# KiCad board plz actually have soldermask.kicad_pcb (continued)
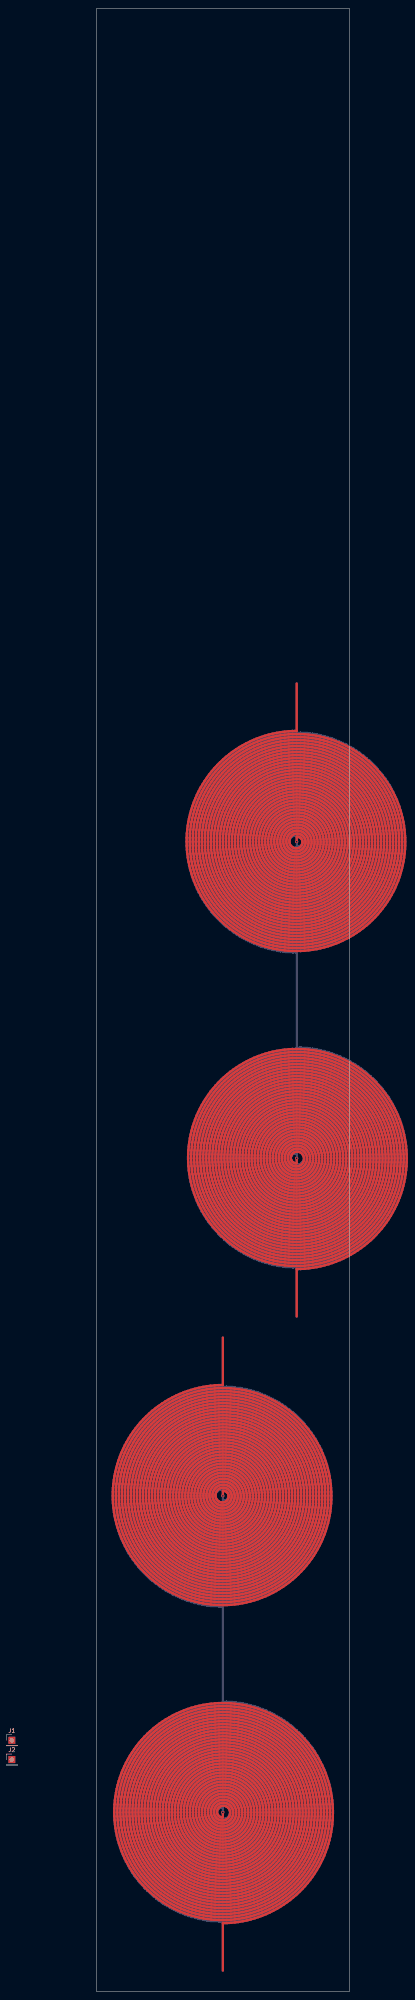
[diagram p0: board, top side]
## Routing (per net, layer and track width the routed paths; a pad name or vN(x,y) marks a point on that pad's centre or on a via; arc(x,y) is an arc through that point) (continued)
26.03,33.93 25.35,34.3 24.71,34.71 24.1,35.18 23.52,35.68 22.99,36.23 22.5,36.81 22.05,37.43 21.65,38.08 21.3,38.76 21.01,39.46 20.76,40.18 20.58,40.92 20.44,41.67 20.37,42.42 20.35,43.18 20.38,43.94 20.48,44.69 20.63,45.43 20.83,46.16 21.09,46.87 21.4,47.55 21.76,48.22 22.17,48.85 22.62,49.45 23.12,50.01 23.65,50.54 24.23,51.02 24.84,51.46 25.47,51.85 26.14,52.19 26.83,52.48 27.54,52.72 28.26,52.91 28.99,53.04 29.74,53.11 30.48,53.13 31.26,53.09 32.03,52.99 32.8,52.83 33.54,52.61 34.27,52.33 34.97,52 35.65,51.61 36.29,51.17 36.89,50.68 37.45,50.15 37.97,49.58 38.44,48.96 38.86,48.32 39.23,47.64 39.55,46.94 39.81,46.21 40.01,45.47 40.15,44.71 40.23,43.95 40.25,43.18 40.21,42.41 40.11,41.65 39.95,40.91 39.74,40.17 39.46,39.46 39.14,38.77 38.76,38.11 38.32,37.48 37.85,36.89 37.32,36.34 36.76,35.83 36.16,35.36 35.52,34.95 34.86,34.59 34.17,34.28 33.45,34.03 32.72,33.83 31.98,33.69 31.23,33.61 30.48,33.59 29.73,33.63 28.98,33.73 28.25,33.88 27.53,34.1 26.83,34.36 26.15,34.69 25.5,35.06 24.89,35.48 24.31,35.95 23.76,36.46 23.27,37.02 22.81,37.61 22.41,38.23 22.05,38.89 21.75,39.56 21.5,40.26 21.31,40.98 21.17,41.71 21.09,42.44 21.07,43.18 21.11,43.92 21.21,44.65 21.36,45.37 21.57,46.08 21.83,46.76 22.15,47.43 22.51,48.06 22.93,48.67 23.39,49.24 23.89,49.77 24.44,50.26 25.02,50.7 25.63,51.1 26.27,51.45 26.93,51.74 27.62,51.99 28.32,52.18 29.03,52.31 29.76,52.38 30.48,52.4 31.24,52.36 32,52.26 32.74,52.09 33.46,51.87 34.17,51.58 34.84,51.24 35.49,50.85 36.1,50.4 36.67,49.9 37.2,49.36 37.68,48.78 38.11,48.16 38.48,47.51 38.8,46.83 39.07,46.13 39.27,45.41 39.42,44.67 39.5,43.93 39.52,43.18 39.48,42.43 39.38,41.69 39.22,40.97 39,40.26 38.72,39.57 38.38,38.9 37.99,38.27 37.56,37.67 37.07,37.11 36.54,36.6 35.97,36.13 35.36,35.71 34.72,35.34 34.06,35.02 33.37,34.76 32.66,34.56 31.94,34.42 31.21,34.34 30.48,34.32 29.75,34.36 29.02,34.46 28.31,34.62 27.62,34.84 26.94,35.11 26.29,35.44 25.67,35.82 25.08,36.25 24.54,36.72 24.03,37.24 23.57,37.8 23.16,38.4 22.8,39.02 22.49,39.67 22.24,40.35 22.04,41.04 21.9,41.75 21.82,42.46 21.8,43.18 21.84,43.9 21.94,44.61 22.09,45.3 22.31,45.99 22.58,46.65 22.9,47.28 23.27,47.89 23.69,48.46 24.16,49 24.67,49.49 25.21,49.95 25.8,50.35 26.41,50.7 27.05,51.01 27.71,51.25 28.39,51.44 29.08,51.58 29.78,51.66 30.48,51.68 31.22,51.63 31.95,51.53 32.67,51.36 33.37,51.13 34.05,50.84 34.7,50.49 35.31,50.08 35.89,49.63 36.42,49.12 36.91,48.58 37.35,47.99 37.73,47.37 38.06,46.72 38.33,46.04 38.54,45.34 38.69,44.63 38.77,43.91 38.8,43.18 38.75,42.46 38.65,41.74 38.48,41.04 38.26,40.35 37.97,39.69 37.63,39.05 37.23,38.45 36.79,37.89 36.3,37.36 35.76,36.89 35.19,36.46 34.58,36.08 33.94,35.76 33.28,35.5 32.59,35.29 31.9,35.15 31.19,35.07 30.48,35.05 29.77,35.09 29.07,35.19 28.38,35.35 27.71,35.57 27.06,35.85 26.44,36.19 25.86,36.58 25.3,37.01 24.79,37.49 24.33,38.02 23.91,38.58 23.54,39.17 23.23,39.8 22.97,40.45 22.77,41.11 22.63,41.8 22.55,42.49 22.53,43.18 22.57,43.87 22.67,44.56 22.83,45.23 23.05,45.89 23.32,46.52 23.65,47.13 24.02,47.7 24.45,48.24 24.92,48.74 25.43,49.19 25.98,49.6 26.56,49.96 27.17,50.27 27.81,50.52 28.46,50.71 29.13,50.85 29.8,50.93 30.48,50.95 31.2,50.91 31.9,50.8 32.6,50.62 33.27,50.39 33.92,50.09 34.54,49.73 35.12,49.32 35.66,48.86 36.15,48.35 36.6,47.8 36.99,47.21 37.32,46.59 37.6,45.94 37.81,45.27 37.96,44.58 38.05,43.88 38.07,43.18 38.03,42.48 37.92,41.79 37.75,41.11 37.52,40.45 37.22,39.82 36.88,39.22 36.48,38.65 36.02,38.13 35.53,37.64 34.99,37.21 34.41,36.83 33.81,36.5 33.17,36.23 32.52,36.03 31.84,35.88 31.16,35.79 30.48,35.77 29.8,35.82 29.12,35.92 28.46,36.09 27.82,36.31 27.2,36.6 26.61,36.94 26.06,37.33 25.55,37.77 25.08,38.26 24.65,38.78 24.28,39.34 23.96,39.94 23.7,40.55 23.5,41.19 23.36,41.85 23.28,42.51 23.26,43.18 23.3,43.85 23.4,44.5 23.56,45.15 23.78,45.77 24.06,46.38 24.39,46.95 24.77,47.49 25.2,47.99 25.68,48.45 26.19,48.86 26.74,49.22 27.32,49.53 27.92,49.79 28.54,49.98 29.18,50.12 29.83,50.2 30.48,50.22 31.17,50.18 31.85,50.07 32.51,49.89 33.16,49.64 33.77,49.34 34.36,48.98 34.9,48.56 35.4,48.1 35.85,47.58 36.24,47.03 36.58,46.44 36.86,45.82 37.08,45.18 37.23,44.52 37.32,43.85 37.34,43.18 37.3,42.51 37.19,41.85 37.01,41.2 36.78,40.57 36.48,39.97 36.13,39.41 35.72,38.88 35.27,38.39 34.77,37.96 34.23,37.57 33.66,37.24 33.05,36.97 32.43,36.76 31.79,36.61 31.14,36.52 30.48,36.5 29.83,36.54 29.18,36.65 28.55,36.82 27.94,37.05 27.36,37.34 26.81,37.68 26.29,38.08 25.82,38.52 25.4,39.01 25.02,39.53 24.7,40.09 24.43,40.68 24.23,41.28 24.08,41.91 24,42.54 23.98,43.18 24.02,43.82 24.13,44.44 24.29,45.06 24.52,45.65 24.8,46.22 25.13,46.75 25.52,47.25 25.95,47.71 26.42,48.12 26.93,48.49 27.48,48.8 28.05,49.06 28.64,49.26 29.24,49.4 29.86,49.48 30.48,49.5 31.14,49.45 31.79,49.33 32.42,49.15 33.03,48.91 33.61,48.6 34.15,48.23 34.65,47.81 35.1,47.34 35.5,46.83 35.84,46.28 36.13,45.69 36.35,45.09 36.5,44.46 36.59,43.82 36.61,43.18 36.57,42.54 36.46,41.91 36.28,41.3 36.04,40.7 35.74,40.14 35.38,39.62 34.98,39.13 34.52,38.69 34.02,38.31 33.49,37.97 32.92,37.7 32.33,37.48 31.72,37.33 31.1,37.25 30.48,37.23 29.86,37.27 29.25,37.38 28.65,37.55 28.08,37.79 27.53,38.08 27.02,38.42 26.55,38.82 26.13,39.26 25.75,39.75 25.43,40.26 25.16,40.81 24.96,41.39 24.81,41.98 24.73,42.58 24.71,43.18 24.75,43.78 24.86,44.37 25.03,44.95 25.25,45.51 25.53,46.04 25.87,46.53 26.25,46.98 26.68,47.4 27.15,47.76 27.66,48.07 28.19,48.33 28.74,48.53 29.31,48.67 29.89,48.75 30.48,48.77 31.1,48.72 31.72,48.6 32.31,48.42 32.88,48.17 33.42,47.86 33.92,47.49 34.37,47.07 34.77,46.6 35.11,46.09 35.4,45.55 35.62,44.98 35.78,44.39 35.87,43.79 35.89,43.18 35.84,42.58 35.73,41.98 35.55,41.41 35.3,40.86 35,40.34 34.65,39.86 34.24,39.42 33.79,39.03 33.29,38.7 32.77,38.43 32.22,38.21 31.65,38.06 31.07,37.97 30.48,37.95 29.9,38 29.32,38.11 28.77,38.28 28.24,38.52 27.73,38.81 27.27,39.16 26.85,39.55 26.48,39.99 26.15,40.46 25.89,40.97 25.68,41.5 25.54,42.05 25.46,42.61 25.44,43.18 25.48,43.74 25.59,44.3 25.76,44.83 25.98,45.35 26.26,45.83 26.6,46.28 26.98,46.68 27.4,47.04 27.86,47.35 28.35,47.61 28.86,47.81 29.39,47.95 29.93,48.02 30.48,48.04 31.06,47.99 31.64,47.87 32.19,47.69 32.71,47.44 33.2,47.12 33.65,46.76 34.05,46.34 34.39,45.88 34.67,45.38 34.9,44.85 35.05,44.31 35.14,43.75 35.16,43.18 35.11,42.62 35,42.07 34.82,41.54 34.57,41.03 34.27,40.56 33.92,40.13 33.52,39.75 33.08,39.42 32.6,39.15 32.09,38.93 31.56,38.79 31.02,38.7 30.48,38.68 29.94,38.73 29.41,38.84 28.9,39.01 28.42,39.25 27.96,39.54 27.55,39.88 27.19,40.26 26.87,40.69 26.61,41.15 26.4,41.63 26.26,42.14 26.18,42.66 26.16,43.18 26.21,43.7 26.32,44.21 26.48,44.7 26.71,45.16 26.98,45.59 27.31,45.99 27.68,46.34 28.09,46.64 28.53,46.89 29,47.09 29.48,47.22 29.98,47.3 30.48,47.31 31.02,47.26 31.54,47.14 32.05,46.96 32.52,46.71 32.95,46.4 33.34,46.04 33.68,45.63 33.96,45.19 34.17,44.71 34.33,44.21 34.41,43.7 34.43,43.18 34.38,42.67 34.27,42.16 34.09,41.68 33.85,41.23 33.56,40.82 33.21,40.45 32.82,40.13 32.4,39.86 31.94,39.65 31.46,39.51 30.97,39.43 30.48,39.41 29.99,39.46 29.51,39.57 29.05,39.74 28.62,39.97 28.23,40.25 27.88,40.58 27.57,40.95 27.32,41.35 27.12,41.79 26.98,42.24 26.91,42.71 26.89,43.18 26.94,43.65 27.04,44.1 27.21,44.54 27.42,44.94 27.69,45.32 28.01,45.65 28.36,45.94 28.75,46.18 29.16,46.37 29.59,46.5 30.03,46.57 30.48,46.59 30.96,46.54 31.43,46.42 31.88,46.23 32.29,45.99 32.66,45.69 32.98,45.35 33.25,44.96 33.46,44.54 33.61,44.1 33.69,43.64 33.71,43.18 33.66,42.72 33.54,42.28 33.37,41.86 33.14,41.47 32.86,41.12 32.53,40.82 32.16,40.56 31.77,40.37 31.35,40.23 30.92,40.15 30.48,40.14 30.05,40.18 29.63,40.29 29.24,40.46 28.87,40.67 28.54,40.94 28.25,41.25 28.02,41.6 27.83,41.97 27.7,42.36 27.63,42.77 27.62,43.18 27.66,43.59 27.76,43.98 27.92,44.35 28.13,44.69 28.38,45 28.67,45.27 28.99,45.49 29.35,45.66 29.72,45.78 30.1,45.85 30.48,45.86 30.9,45.81 31.3,45.7 31.67,45.52 32.01,45.29 32.31,45.01 32.56,44.69 32.76,44.34 32.89,43.96 32.97,43.57 32.98,43.18 32.93,42.79 32.82,42.42 32.66,42.07 32.44,41.75 32.18,41.48 31.88,41.25 31.56,41.07 31.21,40.94 30.85,40.87 30.48,40.86 30.12,40.91 29.78,41.01 29.45,41.16 29.16,41.36 28.91,41.61 28.69,41.88 28.53,42.19 28.41,42.51 28.35,42.84 28.34,43.18 28.39,43.51 28.48,43.83 28.63,44.12 28.81,44.39 29.03,44.63 29.29,44.82 29.57,44.97 29.86,45.07 30.17,45.13 30.48,45.13 30.82,45.08 31.13,44.98 31.43,44.82 31.68,44.61 31.9,44.37 32.07,44.1 32.18,43.8 32.25,43.49 32.25,43.18 32.21,42.88 32.11,42.59 31.96,42.32 31.78,42.09 31.55,41.9 31.31,41.75 31.04,41.65 30.76,41.59 30.48,41.59 30.21,41.63 29.95,41.72 29.72,41.86 29.51,42.02 29.34,42.22 29.21,42.45 29.12,42.68 29.07,42.93 29.07,43.18 29.11,43.42 29.19,43.65 29.31,43.85 29.46,44.03 29.64,44.18 29.84,44.3 30.05,44.37 30.26,44.41 30.48,44.41 v1(30.48,43.18) ; v1(48.26,200.66) 48.26,201.89 48.04,201.89 47.83,201.85 47.62,201.78 47.42,201.66 47.24,201.51 47.09,201.33 46.97,201.13 46.89,200.9 46.85,200.66 46.85,200.41 46.9,200.16 46.99,199.93 47.12,199.7 47.29,199.5 47.5,199.34 47.73,199.2 47.99,199.11 48.26,199.07 48.54,199.07 48.82,199.13 49.09,199.23 49.33,199.38 49.56,199.57 49.74,199.8 49.89,200.07 49.99,200.36 50.03,200.66 50.03,200.97 49.96,201.28 49.85,201.58 49.68,201.85 49.46,202.09 49.21,202.3 48.91,202.46 48.6,202.56 48.26,202.61 47.95,202.61 47.64,202.55 47.35,202.45 47.07,202.3 46.81,202.11 46.59,201.87 46.41,201.6 46.26,201.31 46.17,200.99 46.12,200.66 46.13,200.32 46.19,199.99 46.31,199.67 46.47,199.36 46.69,199.09 46.94,198.84 47.23,198.64 47.56,198.49 47.9,198.39 48.26,198.34 48.63,198.35 48.99,198.42 49.34,198.55 49.66,198.73 49.96,198.96 50.22,199.23 50.44,199.55 50.6,199.9 50.71,200.27 50.76,200.66 50.75,201.05 50.67,201.44 50.54,201.82 50.34,202.17 50.09,202.49 49.79,202.77 49.45,203 49.08,203.18 48.68,203.29 48.26,203.34 47.88,203.33 47.5,203.26 47.13,203.14 46.77,202.97 46.45,202.75 46.16,202.48 45.91,202.17 45.7,201.83 45.54,201.46 45.44,201.07 45.4,200.66 45.41,200.25 45.48,199.84 45.61,199.45 45.8,199.08 46.03,198.73 46.32,198.42 46.65,198.15 47.02,197.94 47.41,197.77 47.83,197.66 48.26,197.62 48.7,197.63 49.13,197.71 49.55,197.85 49.94,198.04 50.31,198.3 50.64,198.6 50.92,198.95 51.15,199.34 51.32,199.76 51.44,200.2 51.49,200.66 51.47,201.12 51.39,201.58 51.24,202.02 51.03,202.44 50.76,202.83 50.44,203.17 50.07,203.47 49.66,203.71 49.21,203.9 48.74,204.02 48.26,204.07 47.81,204.05 47.37,203.98 46.94,203.85 46.53,203.66 46.14,203.42 45.79,203.13 45.47,202.8 45.2,202.42 44.99,202.02 44.82,201.58 44.72,201.13 44.67,200.66 44.69,200.19 44.76,199.72 44.9,199.27 45.1,198.83 45.35,198.43 45.66,198.06 46.01,197.73 46.4,197.45 46.83,197.22 47.29,197.05 47.77,196.94 48.26,196.89 48.75,196.91 49.24,196.99 49.72,197.13 50.18,197.34 50.6,197.61 50.99,197.93 51.34,198.3 51.63,198.71 51.87,199.16 52.05,199.64 52.16,200.15 52.21,200.66 52.19,201.18 52.11,201.69 51.95,202.19 51.74,202.67 51.46,203.11 51.12,203.52 50.73,203.88 50.3,204.19 49.83,204.44 49.32,204.62 48.8,204.74 48.26,204.8 47.76,204.78 47.26,204.7 46.78,204.57 46.31,204.37 45.87,204.12 45.46,203.82 45.09,203.47 44.76,203.07 44.49,202.64 44.26,202.18 44.1,201.69 43.99,201.18 43.94,200.66 43.96,200.14 44.04,199.62 44.18,199.11 44.39,198.63 44.65,198.17 44.97,197.74 45.33,197.36 45.74,197.02 46.2,196.73 46.68,196.49 47.19,196.32 47.72,196.21 48.26,196.16 48.8,196.18 49.34,196.27 49.87,196.41 50.38,196.63 50.86,196.9 51.3,197.23 51.7,197.61 52.05,198.04 52.35,198.51 52.6,199.02 52.78,199.55 52.89,200.1 52.94,200.66 52.92,201.23 52.83,201.79 52.68,202.33 52.45,202.86 52.17,203.36 51.83,203.82 51.43,204.24 50.98,204.6 50.49,204.92 49.97,205.17 49.42,205.35 48.84,205.47 48.26,205.52 47.71,205.5 47.17,205.43 46.64,205.29 46.13,205.09 45.64,204.83 45.18,204.52 44.76,204.16 44.38,203.76 44.04,203.31 43.76,202.83 43.54,202.31 43.37,201.78 43.26,201.22 43.22,200.66 43.24,200.09 43.32,199.53 43.46,198.98 43.67,198.45 43.93,197.94 44.26,197.47 44.63,197.03 45.05,196.64 45.51,196.29 46.02,196 46.55,195.76 47.1,195.59 47.68,195.48 48.26,195.43 48.85,195.45 49.43,195.54 50,195.69 50.55,195.91 51.07,196.18 51.57,196.51 52.02,196.9 52.43,197.34 52.78,197.82 53.08,198.34 53.33,198.89 53.51,199.46 53.62,200.06 53.67,200.66 53.65,201.27 53.56,201.87 53.4,202.46 53.18,203.03 52.89,203.57 52.55,204.08 52.15,204.55 51.7,204.97 51.2,205.34 50.66,205.65 50.09,205.9 49.5,206.08 48.88,206.2 48.26,206.25 47.67,206.23 47.09,206.15 46.52,206.01 45.97,205.81 45.44,205.55 44.93,205.24 44.46,204.88 44.03,204.46 43.65,204.01 43.31,203.52 43.03,202.99 42.81,202.43 42.64,201.85 42.53,201.26 42.49,200.66 42.51,200.06 42.59,199.46 42.74,198.87 42.94,198.29 43.21,197.74 43.53,197.23 43.91,196.74 44.33,196.3 44.8,195.9 45.31,195.56 45.86,195.27 46.43,195.03 47.03,194.86 47.64,194.75 48.26,194.71 48.88,194.73 49.5,194.81 50.11,194.96 50.7,195.18 51.27,195.45 51.8,195.79 52.3,196.17 52.76,196.61 53.16,197.1 53.52,197.62 53.82,198.18 54.06,198.78 54.24,199.39 54.35,200.02 54.39,200.66 54.37,201.3 54.28,201.94 54.13,202.57 53.91,203.17 53.62,203.76 53.28,204.31 52.88,204.82 52.43,205.29 51.93,205.71 51.39,206.08 50.81,206.39 50.2,206.63 49.57,206.81 48.92,206.93 48.26,206.98 47.64,206.96 47.02,206.88 46.42,206.74 45.83,206.54 45.26,206.28 44.71,205.97 44.2,205.6 43.73,205.19 43.3,204.73 42.91,204.23 42.58,203.7 42.3,203.13 42.07,202.54 41.91,201.92 41.8,201.3 41.76,200.66 41.78,200.02 41.86,199.39 42.01,198.76 42.21,198.16 42.48,197.57 42.8,197.01 43.18,196.49 43.6,196 44.07,195.56 44.59,195.16 45.14,194.82 45.72,194.53 46.33,194.3 46.96,194.13 47.61,194.02 48.26,193.98 48.92,194 49.57,194.09 50.21,194.24 50.83,194.45 51.44,194.72 52.01,195.05 52.55,195.44 53.05,195.87 53.5,196.36 53.91,196.89 54.26,197.45 54.56,198.05 54.79,198.68 54.97,199.33 55.08,199.99 55.12,200.66 55.1,201.33 55.01,202 54.86,202.66 54.64,203.3 54.36,203.92 54.02,204.51 53.63,205.06 53.18,205.58 52.68,206.04 52.14,206.46 51.55,206.82 50.94,207.12 50.29,207.37 49.63,207.55 48.95,207.66 48.26,207.7 47.61,207.68 46.96,207.6 46.32,207.46 45.7,207.27 45.1,207.01 44.52,206.7 43.97,206.34 43.46,205.93 42.98,205.47 42.55,204.97 42.17,204.43 41.84,203.86 41.56,203.25 41.34,202.63 41.18,201.98 41.08,201.33 41.04,200.66 41.06,199.99 41.14,199.33 41.28,198.67 41.48,198.03 41.74,197.42 42.06,196.82 42.43,196.26 42.86,195.74 43.33,195.25 43.84,194.81 44.39,194.42 44.98,194.08 45.6,193.79 46.24,193.57 46.9,193.4 47.58,193.3 48.26,193.25 48.94,193.27 49.62,193.36 50.3,193.51 50.95,193.71 51.59,193.98 52.19,194.31 52.77,194.69 53.31,195.12 53.8,195.61 54.26,196.13 54.66,196.7 55,197.3 55.3,197.93 55.53,198.59 55.7,199.27 55.81,199.96 55.85,200.66 55.83,201.36 55.74,202.06 55.59,202.75 55.38,203.42 55.1,204.07 54.77,204.69 54.38,205.28 53.93,205.83 53.44,206.34 52.9,206.8 52.32,207.21 51.7,207.57 51.05,207.87 50.38,208.1 49.68,208.28 48.98,208.39 48.26,208.43 47.58,208.41 46.91,208.33 46.24,208.19 45.59,208 44.95,207.75 44.34,207.44 43.76,207.08 43.21,206.67 42.7,206.22 42.23,205.72 41.8,205.18 41.43,204.61 41.1,204 40.83,203.37 40.61,202.71 40.45,202.04 40.35,201.35 40.31,200.66 40.33,199.97 40.41,199.28 40.55,198.59 40.75,197.93 41.01,197.28 41.32,196.65 41.69,196.06 42.11,195.5 42.57,194.97 43.08,194.49 43.64,194.06 44.22,193.67 44.84,193.33 45.49,193.05 46.16,192.83 46.85,192.67 47.55,192.57 48.26,192.53 48.97,192.55 49.68,192.63 50.37,192.77 51.06,192.98 51.72,193.24 52.36,193.56 52.97,193.94 53.54,194.37 54.08,194.84 54.57,195.37 55.01,195.93 55.41,196.53 55.75,197.17 56.04,197.83 56.26,198.52 56.43,199.22 56.53,199.94 56.58,200.66 56.55,201.39 56.47,202.11 56.32,202.82 56.11,203.52 55.84,204.2 55.51,204.85 55.13,205.47 54.69,206.06 54.2,206.6 53.67,207.11 53.09,207.56 52.48,207.97 51.83,208.32 51.15,208.61 50.45,208.84 49.73,209.01 49,209.11 48.26,209.16 47.56,209.14 46.86,209.06 46.17,208.92 45.49,208.73 44.83,208.49 44.19,208.18 43.58,207.83 42.99,207.43 42.45,206.97 41.94,206.48 41.47,205.94 41.05,205.37 40.68,204.76 40.36,204.13 40.09,203.47 39.87,202.78 39.72,202.09 39.62,201.38 39.58,200.66 39.6,199.94 39.68,199.23 39.82,198.52 40.02,197.83 40.27,197.15 40.58,196.5 40.94,195.88 41.35,195.28 41.81,194.72 42.32,194.2 42.86,193.73 43.45,193.3 44.07,192.92 44.72,192.59 45.4,192.32 46.09,192.1 46.8,191.94 47.53,191.84 48.26,191.8 48.99,191.82 49.72,191.9 50.44,192.04 51.15,192.24 51.84,192.5 52.5,192.82 53.14,193.19 53.75,193.61 54.32,194.08 54.85,194.59 55.34,195.15 55.77,195.75 56.16,196.38 56.5,197.05 56.78,197.74 57,198.45 57.16,199.17 57.26,199.91 57.3,200.66 57.28,201.41 57.2,202.15 57.05,202.89 56.85,203.61 56.58,204.31 56.26,204.99 55.89,205.64 55.46,206.26 54.98,206.84 54.45,207.38 53.88,207.88 53.27,208.33 52.62,208.72 51.95,209.06 51.24,209.35 50.52,209.57 49.78,209.74 49.02,209.84 48.26,209.88 47.54,209.86 46.81,209.79 46.1,209.66 45.4,209.47 44.71,209.22 44.05,208.93 43.41,208.58 42.8,208.18 42.22,207.74 41.67,207.25 41.17,206.72 40.71,206.15 40.29,205.54 39.93,204.91 39.61,204.24 39.35,203.56 39.14,202.85 38.99,202.13 38.89,201.4 38.85,200.66 38.87,199.92 38.95,199.19 39.09,198.46 39.28,197.74 39.53,197.04 39.83,196.37 40.19,195.71 40.59,195.09 41.05,194.5 41.54,193.94 42.09,193.43 42.67,192.96 43.28,192.54 43.93,192.17 44.61,191.84 45.31,191.58 46.03,191.36 46.76,191.21 47.51,191.11 48.26,191.07 49.01,191.09 49.76,191.17 50.5,191.31 51.23,191.51 51.95,191.76 52.64,192.07 53.3,192.43 53.94,192.84 54.54,193.31 55.1,193.82 55.63,194.37 56.1,194.96 56.54,195.59 56.92,196.25 57.24,196.94 57.52,197.65 57.73,198.39 57.89,199.13 57.99,199.89 58.03,200.66 58.01,201.43 57.93,202.19 57.79,202.95 57.59,203.69 57.33,204.42 57.01,205.12 56.64,205.8 56.22,206.44 55.75,207.06 55.23,207.63 54.67,208.16 54.07,208.65 53.43,209.09 52.75,209.48 52.05,209.81 51.32,210.09 50.58,210.31 49.81,210.47 49.04,210.57 48.26,210.61 47.52,210.59 46.77,210.52 46.04,210.39 45.32,210.2 44.61,209.96 43.92,209.67 43.25,209.33 42.62,208.94 42.01,208.5 41.43,208.02 40.9,207.49 40.4,206.93 39.95,206.33 39.54,205.7 39.18,205.03 38.87,204.35 38.61,203.64 38.41,202.91 38.26,202.17 38.16,201.42 38.13,200.66 38.15,199.9 38.22,199.15 38.36,198.4 38.54,197.66 38.79,196.94 39.08,196.24 39.43,195.56 39.83,194.91 40.28,194.29 40.77,193.71 41.3,193.16 41.88,192.66 42.49,192.19 43.13,191.78 43.81,191.41 44.51,191.1 45.23,190.84 45.97,190.63 46.73,190.48 47.49,190.38 48.26,190.35 49.03,190.37 49.8,190.44 50.56,190.58 51.31,190.77 52.04,191.02 52.76,191.32 53.45,191.67 54.11,192.08 54.74,192.53 55.33,193.04 55.89,193.58 56.41,194.16 56.88,194.79 57.3,195.44 57.67,196.13 57.99,196.84 58.26,197.58 58.47,198.33 58.62,199.1 58.72,199.88 58.76,200.66 58.74,201.45 58.66,202.23 58.52,203 58.32,203.76 58.07,204.51 57.76,205.24 57.4,205.94 56.99,206.61 56.53,207.25 56.02,207.86 55.46,208.42 54.87,208.95 54.24,209.43 53.57,209.85 52.87,210.23 52.15,210.56 51.4,210.83 50.63,211.04 49.85,211.2 49.06,211.3 48.26,211.34 47.5,211.32 46.74,211.25 45.98,211.12 45.24,210.94 44.51,210.7 43.8,210.42 43.11,210.08 42.45,209.7 41.82,209.27 41.21,208.79 40.65,208.27 40.12,207.72 39.63,207.12 39.18,206.5 38.78,205.84 38.43,205.15 38.12,204.44 37.87,203.71 37.67,202.96 37.53,202.2 37.44,201.43 37.4,200.66 37.42,199.88 37.49,199.11 37.62,198.35 37.81,197.59 38.05,196.85 38.34,196.13 38.68,195.43 39.07,194.75 39.51,194.11 39.99,193.49 40.52,192.92 41.08,192.38 41.69,191.88 42.33,191.43 43,191.02 43.69,190.66 44.42,190.35 45.16,190.1 45.92,189.9 46.69,189.75 47.47,189.65 48.26,189.62 49.05,189.64 49.83,189.71 50.61,189.85 51.38,190.03 52.13,190.28 52.87,190.57 53.58,190.92 54.27,191.32 54.92,191.76 55.54,192.25 56.13,192.79 56.68,193.36 57.19,193.98 57.65,194.63 58.06,195.31 58.42,196.02 58.74,196.75 59,197.51 59.2,198.28 59.35,199.07 59.45,199.86 59.48,200.66 59.46,201.46 59.39,202.26 59.25,203.05 59.06,203.83 58.81,204.6 58.51,205.34 58.16,206.07 57.76,206.76 57.3,207.43 56.8,208.06 56.26,208.66 55.67,209.22 55.05,209.73 54.39,210.2 53.7,210.62 52.98,210.99 52.23,211.31 51.46,211.57 50.68,211.78 49.88,211.93 49.07,212.03 48.26,212.06 47.48,212.05 46.7,211.97 45.93,211.85 45.17,211.67 44.43,211.44 43.7,211.16 42.99,210.84 42.3,210.46 41.64,210.04 41.01,209.57 40.42,209.06 39.86,208.51 39.33,207.92 38.85,207.3 38.41,206.65 38.02,205.97 37.68,205.26 37.38,204.53 37.13,203.78 36.94,203.01 36.8,202.24 36.71,201.45 36.67,200.66 36.69,199.87 36.77,199.08 36.89,198.3 37.07,197.53 37.31,196.77 37.59,196.02 37.92,195.3 38.31,194.61 38.74,193.94 39.21,193.3 39.73,192.69 40.29,192.12 40.88,191.59 41.51,191.1 42.18,190.66 42.87,190.26 43.59,189.91 44.33,189.61 45.09,189.36 45.87,189.16 46.66,189.02 47.46,188.93 48.26,188.89 49.06,188.91 49.86,188.99 50.66,189.11 51.44,189.3 52.21,189.53 52.97,189.82 53.7,190.16 54.41,190.55 55.09,190.99 55.74,191.47 56.35,192 56.93,192.56 57.47,193.17 57.96,193.81 58.42,194.48 58.82,195.19 59.18,195.92 59.48,196.67 59.74,197.44 59.94,198.23 60.08,199.03 60.17,199.85 60.21,200.66 60.19,201.48 60.11,202.29 59.98,203.1 59.8,203.89 59.56,204.68 59.26,205.44 58.92,206.18 58.52,206.9 58.08,207.59 57.59,208.25 57.06,208.88 56.48,209.46 55.87,210.01 55.22,210.51 54.53,210.97 53.82,211.38 53.07,211.74 52.31,212.05 51.52,212.31 50.72,212.52 49.91,212.66 49.09,212.76 48.26,212.79 47.47,212.77 46.67,212.7 45.89,212.58 45.11,212.41 44.35,212.18 43.6,211.91 42.87,211.59 42.16,211.22 41.48,210.8 40.83,210.35 40.21,209.84 39.62,209.3 39.06,208.72 38.55,208.11 38.08,207.46 37.65,206.79 37.26,206.08 36.93,205.35 36.64,204.61 36.4,203.84 36.21,203.06 36.07,202.27 35.98,201.46 35.95,200.66 35.97,199.85 36.04,199.05 36.16,198.25 36.34,197.47 36.56,196.69 36.84,195.93 37.17,195.19 37.54,194.47 37.96,193.78 38.43,193.12 38.94,192.49 39.49,191.89 40.08,191.33 40.7,190.81 41.36,190.33 42.04,189.89 42.76,189.5 43.5,189.16 44.26,188.86 45.03,188.62 45.83,188.43 46.63,188.29 47.44,188.2 48.26,188.16 49.08,188.18 49.89,188.26 50.7,188.38 51.5,188.56 52.29,188.79 53.06,189.07 53.81,189.41 54.54,189.79 55.24,190.21 55.91,190.69 56.55,191.2 57.16,191.76 57.73,192.36 58.26,192.99 58.74,193.65 59.19,194.35 59.58,195.08 59.93,195.83 60.23,196.6 60.48,197.39 60.67,198.19 60.81,199.01 60.9,199.83 60.94,200.66 60.92,201.49 60.84,202.32 60.72,203.14 60.53,203.95 60.3,204.75 60.01,205.53 59.68,206.29 59.29,207.03 58.86,207.74 58.38,208.42 57.85,209.07 57.29,209.69 56.68,210.27 56.04,210.8 55.37,211.3 54.66,211.74 53.92,212.15 53.16,212.5 52.38,212.8 51.58,213.05 50.76,213.25 49.94,213.39 49.1,213.48 48.26,213.52 47.45,213.5 46.65,213.43 45.85,213.31 45.05,213.14 44.28,212.92 43.51,212.66 42.76,212.34 42.04,211.98 41.33,211.57 40.66,211.12 40.01,210.63 39.4,210.1 38.82,209.53 38.27,208.92 37.77,208.28 37.3,207.61 36.88,206.91 36.51,206.19 36.18,205.44 35.89,204.68 35.66,203.9 35.47,203.1 35.34,202.29 35.25,201.48 35.22,200.66 35.24,199.84 35.31,199.02 35.43,198.21 35.6,197.41 35.82,196.62 36.09,195.84 36.41,195.09 36.78,194.35 37.19,193.64 37.65,192.95 38.15,192.3 38.69,191.67 39.27,191.08 39.88,190.53 40.53,190.02 41.21,189.55 41.92,189.12 42.65,188.74 43.41,188.41 44.19,188.12 44.98,187.88 45.79,187.69 46.6,187.56 47.43,187.47 48.26,187.44 49.09,187.46 49.92,187.53 50.74,187.65 51.56,187.82 52.36,188.05 53.14,188.33 53.91,188.65 54.66,189.02 55.38,189.44 56.07,189.9 56.74,190.41 57.37,190.96 57.97,191.54 58.53,192.17 59.05,192.82 59.52,193.51 59.96,194.23 60.34,194.97 60.68,195.74 60.97,196.53 61.21,197.33 61.41,198.15 61.54,198.98 61.63,199.82 61.66,200.66 61.65,201.5 61.57,202.34 61.45,203.18 61.27,204 61.04,204.81 60.76,205.61 60.43,206.39 60.06,207.15 59.63,207.88 59.16,208.58 58.65,209.26 58.09,209.9 57.5,210.5 56.87,211.07 56.2,211.59 55.5,212.08 54.78,212.51 54.02,212.91 53.25,213.25 52.45,213.55 51.63,213.79 50.8,213.98 49.96,214.12 49.11,214.21 48.26,214.25 47.44,214.23 46.62,214.16 45.81,214.04 45,213.88 44.21,213.66 43.43,213.4 42.66,213.09 41.92,212.74 41.2,212.34 40.5,211.9 39.83,211.42 39.2,210.89 38.59,210.33 38.02,209.73 37.48,209.1 36.99,208.44 36.53,207.75 36.12,207.03 35.75,206.29 35.43,205.53 35.15,204.75 34.92,203.95 34.74,203.14 34.61,202.32 34.52,201.49 34.49,200.66 34.51,199.83 34.58,199 34.7,198.17 34.87,197.36 35.08,196.55 35.35,195.76 35.66,194.99 36.02,194.24 36.42,193.5 36.87,192.8 37.36,192.12 37.89,191.47 38.46,190.86 39.07,190.28 39.7,189.74 40.38,189.24 41.08,188.78 41.8,188.36 42.56,187.98 43.33,187.66 44.12,187.38 44.93,187.14 45.75,186.96 46.58,186.83 47.42,186.74 48.26,186.71 49.1,186.73 49.94,186.8 50.78,186.92 51.61,187.09 52.42,187.31 53.22,187.58 54.01,187.89 54.77,188.26 55.51,188.67 56.22,189.12 56.91,189.62 57.57,190.16 58.19,190.73 58.77,191.34 59.32,191.99 59.83,192.67 60.3,193.38 60.72,194.12 61.1,194.88 61.43,195.66 61.72,196.47 61.95,197.28 62.14,198.12 62.27,198.96 62.36,199.81 62.39,200.66 62.37,201.51 62.3,202.37 62.18,203.21 62.01,204.05 61.78,204.87 61.51,205.69 61.19,206.48 60.82,207.25 60.41,208 59.95,208.73 59.44,209.42 58.9,210.09 58.32,210.72 57.7,211.31 57.04,211.87 56.35,212.38 55.63,212.85 54.89,213.28 54.11,213.67 53.32,214 52.51,214.29 51.68,214.53 50.84,214.72 49.98,214.85 49.12,214.94 48.26,214.97 47.43,214.96 46.6,214.89 45.77,214.78 44.95,214.61 44.15,214.4 43.35,214.15 42.57,213.85 41.81,213.5 41.07,213.11 40.36,212.67 39.67,212.2 39.01,211.69 38.38,211.13 37.78,210.55 37.22,209.93 36.69,209.27 36.21,208.59 35.76,207.88 35.36,207.14 34.99,206.38 34.68,205.6 34.41,204.81 34.18,204 34.01,203.17 33.88,202.34 33.8,201.5 33.77,200.66 33.78,199.82 33.85,198.98 33.97,198.14 34.13,197.31 34.34,196.49 34.6,195.69 34.91,194.9 35.26,194.13 35.65,193.38 36.09,192.66 36.57,191.96 37.09,191.29 37.65,190.65 38.25,190.05 38.88,189.48 39.54,188.95 40.23,188.45 40.95,188 41.7,187.59 42.47,187.23 43.25,186.91 44.06,186.63 44.88,186.41 45.71,186.23 46.56,186.1 47.41,186.02 48.26,185.98 49.11,186 49.97,186.07 50.81,186.19 51.65,186.35 52.48,186.57 53.29,186.83 54.09,187.14 54.87,187.5 55.63,187.9 56.36,188.34 57.07,188.83 57.75,189.36 58.39,189.92 59,190.52 59.58,191.16 60.12,191.83 60.62,192.53 61.08,193.26 61.49,194.02 61.86,194.79 62.18,195.59 62.46,196.41 62.69,197.24 62.87,198.08 63,198.94 63.09,199.8 63.12,200.66 63.1,201.52 63.03,202.39 62.91,203.24 62.74,204.09 62.53,204.93 62.26,205.76 61.95,206.56 61.59,207.35 61.18,208.12 60.73,208.86 60.24,209.58 59.7,210.26 59.13,210.92 58.52,211.54 57.88,212.12 57.2,212.66 56.49,213.17 55.75,213.63 54.99,214.05 54.2,214.43 53.39,214.76 52.56,215.04 51.72,215.27 50.87,215.45 50,215.58 49.13,215.67 48.26,215.7 47.42,215.68 46.57,215.62 45.74,215.51 44.91,215.35 44.09,215.14 43.28,214.89 42.49,214.6 41.71,214.26 40.96,213.87 40.22,213.45 39.52,212.98 38.83,212.48 38.18,211.94 37.56,211.36 36.97,210.75 36.42,210.1 35.9,209.43 35.43,208.72 34.99,207.99 34.59,207.24 34.24,206.47 33.93,205.67 33.66,204.86 33.45,204.04 33.27,203.21 33.15,202.36 33.07,201.51 33.04,200.66 33.06,199.81 33.12,198.95 33.23,198.11 33.39,197.27 33.6,196.44 33.86,195.62 34.15,194.82 34.5,194.03 34.89,193.27 35.32,192.53 35.79,191.81 36.3,191.12 36.85,190.46 37.43,189.83 38.05,189.24 38.7,188.68 39.39,188.16 40.1,187.67 40.84,187.23 41.6,186.83 42.38,186.47 43.19,186.16 44,185.89 44.84,185.67 45.68,185.49 46.54,185.37 47.4,185.29 48.26,185.26 49.12,185.27 49.99,185.34 50.84,185.45 51.69,185.62 52.53,185.83 53.36,186.08 54.17,186.39 54.97,186.74 55.74,187.13 56.49,187.56 57.21,188.04 57.91,188.56 58.58,189.11 59.22,189.7 59.82,190.33 60.38,190.99 60.91,191.68 61.4,192.4 61.85,193.15 62.26,193.92 62.62,194.71 62.93,195.53 63.2,196.35 63.43,197.2 63.61,198.05 63.73,198.92 63.81,199.79 63.85,200.66 63.83,201.53 63.76,202.41 63.64,203.27 63.48,204.13 63.27,204.98 63.01,205.82 62.7,206.64 62.35,207.44 61.95,208.23 61.51,208.99 61.03,209.72 60.51,210.43 59.94,211.1 59.34,211.74 58.71,212.35 58.04,212.93 57.34,213.46 56.61,213.96 55.86,214.41 55.08,214.82 54.28,215.18 53.45,215.51 52.62,215.78 51.76,216.01 50.9,216.19 50.02,216.31 49.14,216.4 48.26,216.43 47.41,216.41 46.55,216.35 45.71,216.24 44.87,216.08 44.03,215.88 43.21,215.64 42.41,215.35 41.62,215.02 40.85,214.64 40.1,214.22 39.37,213.77 38.67,213.27 38,212.74 37.36,212.17 36.74,211.57 36.17,210.93 35.62,210.27 35.12,209.57 34.65,208.85 34.22,208.1 33.83,207.34 33.48,206.55 33.18,205.74 32.92,204.92 32.71,204.08 32.54,203.24 32.42,202.38 32.34,201.52 32.31,200.66 32.33,199.8 32.39,198.93 32.5,198.08 32.66,197.23 32.86,196.38 33.11,195.56 33.4,194.74 33.74,193.94 34.12,193.16 34.54,192.41 35,191.67 35.5,190.96 36.04,190.28 36.62,189.63 37.23,189.01 37.87,188.43 38.54,187.88 39.25,187.37 39.98,186.89 40.73,186.46 41.51,186.07 42.31,185.72 43.12,185.41 43.95,185.15 44.8,184.93 45.65,184.76 46.52,184.64 47.39,184.56 48.26,184.53 49.13,184.55 50.01,184.61 50.87,184.72 51.73,184.88 52.58,185.09 53.42,185.34 54.25,185.63 55.05,185.97 55.84,186.36 56.61,186.78 57.35,187.25 58.07,187.76 58.76,188.3 59.41,188.89 60.04,189.5 60.63,190.15 61.19,190.83 61.7,191.54 62.18,192.28 62.62,193.05 63.02,193.83 63.37,194.64 63.68,195.46 63.95,196.3 64.17,197.16 64.34,198.02 64.46,198.9 64.54,199.78 64.57,200.66 64.55,201.54 64.49,202.43 64.38,203.3 64.22,204.17 64.01,205.03 63.75,205.88 63.45,206.71 63.11,207.53 62.72,208.33 62.29,209.1 61.82,209.85 61.31,210.58 60.75,211.27 60.17,211.94 59.54,212.57 58.89,213.17 58.2,213.73 57.48,214.25 56.73,214.74 55.96,215.18 55.16,215.58 54.35,215.94 53.51,216.25 52.66,216.52 51.8,216.74 50.93,216.92 50.04,217.04 49.15,217.12 48.26,217.15 47.4,217.14 46.53,217.08 45.68,216.97 44.83,216.82 43.98,216.62 43.15,216.38 42.33,216.1 41.53,215.77 40.75,215.4 39.98,215 39.24,214.55 38.52,214.06 37.83,213.54 37.17,212.98 36.53,212.39 35.93,211.76 35.36,211.1 34.83,210.42 34.33,209.71 33.87,208.97 33.45,208.21 33.07,207.42 32.73,206.62 32.43,205.8 32.18,204.97 31.97,204.12 31.81,203.27 31.69,202.4 31.61,201.53 31.58,200.66 31.6,199.79 31.66,198.92 31.77,198.05 31.92,197.19 32.12,196.34 32.37,195.5 32.65,194.67 32.98,193.86 33.35,193.06 33.77,192.29 34.22,191.54 34.71,190.82 35.24,190.12 35.8,189.44 36.4,188.8 37.04,188.2 37.7,187.62 38.39,187.08 39.12,186.58 39.86,186.11 40.63,185.69 41.42,185.3 42.23,184.96 43.06,184.66 43.9,184.41 44.76,184.19 45.63,184.03 46.5,183.91 47.38,183.83 48.26,183.8 49.14,183.82 50.02,183.88 50.9,183.99 51.77,184.15 52.63,184.35 53.48,184.59 54.32,184.88 55.14,185.22 55.94,185.59 56.72,186.01 57.48,186.47 58.21,186.96 58.92,187.5 59.6,188.07 60.24,188.68 60.86,189.32 61.44,189.99 61.99,190.69 62.49,191.42 62.96,192.17 63.39,192.95 63.78,193.75 64.13,194.57 64.43,195.41 64.69,196.26 64.9,197.12 65.07,198 65.19,198.88 65.27,199.77 65.3,200.66 65.28,201.55 65.22,202.44 65.11,203.33 64.95,204.21 64.75,205.08 64.5,205.94 64.21,206.78 63.87,207.61 63.49,208.42 63.07,209.21 62.61,209.98 62.1,210.72 61.56,211.43 60.99,212.12 60.37,212.77 59.73,213.39 59.05,213.98 58.34,214.53 57.6,215.05 56.84,215.52 56.05,215.96 55.24,216.35 54.42,216.7 53.57,217 52.71,217.26 51.84,217.48 50.95,217.65 50.06,217.77 49.16,217.85 48.26,217.88 47.39,217.86 46.52,217.8 45.65,217.7 44.79,217.55 43.94,217.36 43.09,217.12 42.26,216.85 41.45,216.53 40.65,216.17 39.87,215.77 39.12,215.33 38.38,214.85 37.67,214.34 36.99,213.79 36.33,213.21 35.71,212.59 35.12,211.94 34.56,211.27 34.03,210.56 33.55,209.83 33.1,209.08 32.68,208.3 32.31,207.5 31.98,206.69 31.69,205.86 31.44,205.01 31.24,204.16 31.08,203.29 30.96,202.42 30.89,201.54 30.86,200.66 30.87,199.78 30.93,198.9 31.04,198.02 31.19,197.15 31.38,196.29 31.62,195.44 31.9,194.6 32.22,193.78 32.59,192.97 32.99,192.19 33.44,191.42 33.92,190.68 34.44,189.96 34.99,189.27 35.58,188.61 36.21,187.98 36.86,187.38 37.54,186.81 38.25,186.29 38.99,185.79 39.75,185.34 40.54,184.92 41.34,184.54 42.17,184.21 43.01,183.92 43.86,183.67 44.72,183.46 45.6,183.3 46.48,183.18 47.37,183.1 48.26,183.08 49.15,183.09 50.04,183.15 50.93,183.26 51.8,183.41 52.67,183.61 53.53,183.85 54.38,184.13 55.21,184.46 56.03,184.83 56.82,185.23 57.6,185.68 58.35,186.17 59.07,186.69 59.77,187.26 60.44,187.85 61.07,188.48 61.68,189.14 62.25,189.83 62.78,190.55 63.28,191.3 63.74,192.07 64.16,192.86 64.54,193.67 64.88,194.5 65.18,195.35 65.43,196.21 65.64,197.09 65.8,197.97 65.92,198.86 66,199.76 66.03,200.66 66.01,201.56 65.95,202.46 65.84,203.35 65.69,204.24 65.49,205.12 65.25,205.99 64.96,206.84 64.63,207.68 64.26,208.51 63.85,209.31 63.39,210.09 62.9,210.85 62.37,211.58 61.8,212.29 61.2,212.96 60.56,213.6 59.9,214.22 59.2,214.79 58.47,215.33 57.72,215.84 56.94,216.3 56.14,216.73 55.32,217.11 54.48,217.45 53.62,217.75 52.75,218.01 51.87,218.22 50.98,218.38 50.07,218.5 49.17,218.58 48.26,218.61 47.38,218.59 46.5,218.53 45.62,218.43 44.75,218.29 43.89,218.1 43.04,217.87 42.2,217.6 41.37,217.28 40.56,216.93 39.77,216.54 39,216.11 38.25,215.64 37.52,215.14 36.82,214.6 36.15,214.02 35.5,213.42 34.89,212.78 34.31,212.11 33.76,211.42 33.24,210.69 32.76,209.95 32.32,209.18 31.92,208.39 31.55,207.58 31.23,206.75 30.94,205.91 30.7,205.06 30.5,204.19 30.34,203.32 30.23,202.44 30.16,201.55 30.13,200.66 30.15,199.77 30.21,198.88 30.31,198 30.46,197.12 30.65,196.25 30.88,195.39 31.15,194.54 31.47,193.7 31.82,192.89 32.22,192.09 32.66,191.31 33.13,190.55 33.64,189.82 34.18,189.11 34.76,188.43 35.38,187.78 36.02,187.16 36.69,186.57 37.4,186.01 38.12,185.49 38.88,185.01 39.65,184.56 40.45,184.15 41.27,183.78 42.1,183.46 42.95,183.17 43.82,182.92 44.69,182.72 45.58,182.56 46.47,182.45 47.36,182.38 48.26,182.35 49.16,182.36 50.06,182.43 50.95,182.53 51.84,182.68 52.72,182.87 53.59,183.1 54.44,183.38 55.28,183.7 56.11,184.06 56.92,184.46 57.71,184.9 58.47,185.38 59.21,185.89 59.93,186.44 60.61,187.03 61.27,187.65 61.9,188.3 62.49,188.98 63.05,189.69 63.58,190.42 64.07,191.18 64.52,191.97 64.93,192.77 65.3,193.6 65.63,194.44 65.92,195.3 66.17,196.17 66.38,197.06 66.54,197.95 66.65,198.85 66.73,199.75 66.75,200.66 66.74,201.57 66.68,202.47 66.57,203.38 66.42,204.27 66.23,205.16 65.99,206.04 65.71,206.9 65.39,207.75 65.02,208.59 64.62,209.4 64.18,210.2 63.69,210.97 63.17,211.72 62.62,212.44 62.03,213.14 61.4,213.8 60.74,214.43 60.06,215.03 59.34,215.6 58.6,216.13 57.83,216.62 57.04,217.08 56.22,217.5 55.39,217.87 54.54,218.21 53.67,218.5 52.79,218.75 51.9,218.95 51,219.12 50.09,219.23 49.18,219.31 48.26,219.34 47.37,219.32 46.48,219.26 45.6,219.16 44.72,219.02 43.85,218.84 42.99,218.61 42.14,218.34 41.3,218.04 40.48,217.69 39.68,217.31 38.89,216.89 38.13,216.43 37.39,215.93 36.67,215.4 35.98,214.84 35.31,214.24 34.68,213.61 34.07,212.95 33.5,212.27 32.96,211.56 32.45,210.82 31.98,210.06 31.55,209.28 31.15,208.47 30.79,207.65 30.48,206.81 30.2,205.96 29.96,205.1 29.77,204.22 29.61,203.34 29.5,202.45 29.43,201.56 29.4,200.66 29.42,199.76 29.48,198.87 29.58,197.97 29.72,197.09 29.91,196.21 30.14,195.34 30.4,194.48 30.71,193.64 31.06,192.81 31.45,191.99 31.88,191.2 32.34,190.43 32.84,189.68 33.38,188.96 33.95,188.26 34.55,187.59 35.18,186.94 35.85,186.33 36.54,185.76 37.26,185.21 38,184.7 38.77,184.22 39.56,183.79 40.37,183.39 41.2,183.03 42.05,182.71 42.91,182.42 43.78,182.18 44.66,181.99 45.55,181.83 46.45,181.72 47.35,181.65 48.26,181.62 49.17,181.64 50.07,181.7 50.97,181.8 51.87,181.94 52.75,182.13 53.63,182.36 54.5,182.63 55.35,182.94 56.19,183.3 57.01,183.69 57.81,184.12 58.59,184.59 59.34,185.09 60.08,185.63 60.78,186.21 61.46,186.82 62.11,187.46 62.72,188.13 63.31,188.83 63.86,189.55 64.37,190.3 64.85,191.08 65.29,191.88 65.7,192.7 66.06,193.53 66.39,194.39 66.67,195.25 66.91,196.14 67.11,197.03 67.27,197.93 67.38,198.83 67.45,199.75 67.48,200.66 67.46,201.57 67.4,202.49 67.3,203.4 67.15,204.3 66.97,205.2 66.73,206.08 66.46,206.96 66.14,207.82 65.79,208.66 65.39,209.49 64.96,210.3 64.48,211.09 63.97,211.85 63.43,212.59 62.85,213.3 62.23,213.98 61.59,214.64 60.91,215.26 60.21,215.85 59.47,216.41 58.71,216.93 57.93,217.41 57.13,217.86 56.3,218.26 55.45,218.63 54.59,218.96 53.72,219.24 52.83,219.49 51.93,219.69 51.02,219.85 50.1,219.96 49.18,220.03 48.26,220.06 47.36,220.05 46.47,219.99 45.58,219.89 44.69,219.75 43.81,219.57 42.94,219.35 42.08,219.09 41.24,218.79 40.4,218.45 39.59,218.08 38.79,217.66 38.01,217.21 37.26,216.72 36.52,216.2 35.81,215.65 35.13,215.06 34.48,214.44 33.85,213.8 33.26,213.12 32.69,212.42 32.16,211.69 31.66,210.94 31.2,210.16 30.78,209.37 30.39,208.55 30.04,207.72 29.73,206.87 29.45,206.01 29.22,205.14 29.03,204.25 28.88,203.36 28.77,202.47 28.7,201.56 28.68,200.66 28.69,199.76 28.75,198.85 28.85,197.95 28.99,197.06 29.17,196.17 29.39,195.29 29.66,194.42 29.96,193.57 30.3,192.73 30.68,191.91 31.1,191.1 31.56,190.32 32.05,189.55 32.57,188.81 33.13,188.1 33.72,187.41 34.35,186.75 35,186.12 35.68,185.52 36.39,184.95 37.13,184.41 37.89,183.91 38.67,183.44 39.47,183.01 40.3,182.62 41.14,182.27 41.99,181.95 42.86,181.68 43.74,181.45 44.63,181.25 45.53,181.1 46.44,180.99 47.35,180.92 48.26,180.89 49.17,180.91 50.08,180.97 50.99,181.07 51.9,181.21 52.79,181.39 53.68,181.62 54.55,181.88 55.42,182.19 56.26,182.53 57.09,182.92 57.91,183.34 58.7,183.8 59.47,184.3 60.22,184.83 60.94,185.39 61.63,185.99 62.3,186.62 62.94,187.28 63.54,187.97 64.12,188.68 64.66,189.43 65.16,190.19 65.63,190.98 66.07,191.79 66.46,192.62 66.82,193.47 67.14,194.33 67.41,195.21 67.65,196.1 67.85,197 68,197.91 68.11,198.82 68.18,199.74 68.21,200.66 68.19,201.58 68.13,202.5 68.03,203.42 67.89,204.33 67.7,205.23 67.48,206.13 67.21,207.01 66.9,207.88 66.55,208.74 66.16,209.58 65.74,210.4 65.27,211.19 64.77,211.97 64.24,212.73 63.67,213.45 63.06,214.16 62.43,214.83 61.76,215.47 61.07,216.08 60.35,216.66 59.6,217.21 58.82,217.72 58.03,218.19 57.21,218.63 56.37,219.03 55.52,219.39 54.64,219.71 53.76,219.99 52.86,220.23 51.95,220.43 51.04,220.58 50.12,220.69 49.19,220.76 48.26,220.79 47.36,220.77 46.45,220.72 45.56,220.62 44.66,220.49 43.78,220.31 42.9,220.09 42.03,219.84 41.17,219.54 40.33,219.21 39.5,218.84 38.69,218.44 37.9,217.99 37.13,217.52 36.39,217 35.66,216.46 34.96,215.88 34.29,215.27 33.64,214.63 33.03,213.97 32.44,213.27 31.89,212.56 31.37,211.81 30.88,211.05 30.42,210.26 30.01,209.45 29.63,208.62 29.28,207.78 28.98,206.93 28.71,206.06 28.48,205.17 28.3,204.28 28.15,203.38 28.04,202.48 27.97,201.57 27.95,200.66 27.96,199.75 28.02,198.84 28.12,197.93 28.26,197.03 28.43,196.13 28.65,195.25 28.91,194.37 29.21,193.51 29.54,192.66 29.91,191.82 30.32,191.01 30.77,190.21 31.25,189.43 31.77,188.68 32.32,187.95 32.9,187.24 33.52,186.56 34.16,185.91 34.83,185.29 35.53,184.7 36.26,184.14 37.01,183.61 37.78,183.12 38.58,182.66 39.39,182.24 40.22,181.86 41.07,181.51 41.94,181.21 42.82,180.94 43.71,180.71 44.6,180.52 45.51,180.37 46.42,180.26 47.34,180.19 48.26,180.17 49.18,180.18 50.1,180.24 51.01,180.34 51.92,180.48 52.83,180.66 53.72,180.88 54.6,181.14 55.48,181.44 56.33,181.77 57.17,182.15 58,182.56 58.8,183.01 59.59,183.5 60.35,184.02 61.09,184.58 61.8,185.17 62.48,185.78 63.14,186.43 63.77,187.11 64.36,187.82 64.93,188.55 65.46,189.31 65.95,190.09 66.42,190.89 66.84,191.71 67.23,192.55 67.58,193.41 67.89,194.28 68.16,195.17 68.39,196.07 68.58,196.97 68.73,197.89 68.84,198.81 68.91,199.73 68.93,200.66 68.92,201.59 68.86,202.51 68.76,203.44 68.62,204.36 68.44,205.27 68.22,206.17 67.96,207.06 67.65,207.94 67.31,208.8 66.93,209.65 66.52,210.48 66.06,211.3 65.57,212.09 65.04,212.85 64.48,213.6 63.89,214.32 63.27,215.01 62.61,215.67 61.93,216.3 61.21,216.9 60.48,217.47 59.71,218.01 58.93,218.51 58.12,218.98 57.29,219.4 56.44,219.79 55.57,220.15 54.69,220.46 53.8,220.73 52.9,220.97 51.98,221.16 51.06,221.31 50.13,221.42 49.2,221.49 48.26,221.52 47.35,221.5 46.44,221.45 45.54,221.35 44.63,221.22 43.74,221.05 42.85,220.83 41.98,220.58 41.11,220.3 40.26,219.97 39.42,219.61 38.6,219.21 37.8,218.77 37.02,218.31 36.26,217.8 35.52,217.27 34.8,216.7 34.11,216.1 33.45,215.47 32.81,214.81 32.21,214.13 31.63,213.42 31.08,212.69 30.57,211.93 30.09,211.15 29.65,210.35 29.24,209.53 28.87,208.69 28.53,207.84 28.23,206.98 27.97,206.1 27.75,205.21 27.56,204.31 27.42,203.4 27.31,202.49 27.25,201.58 27.22,200.66 27.24,199.74 27.29,198.83 27.39,197.91 27.52,197 27.7,196.1 27.91,195.21 28.16,194.32 28.45,193.45 28.78,192.59 29.15,191.75 29.55,190.92 29.99,190.11 30.46,189.32 30.97,188.55 31.51,187.81 32.08,187.09 32.69,186.39 33.32,185.72 33.98,185.08 34.67,184.47 35.39,183.89 36.13,183.34 36.89,182.82 37.68,182.34 38.49,181.89 39.31,181.47 40.16,181.1 41.02,180.76 41.89,180.46 42.78,180.19 43.67,179.97 44.58,179.78 45.49,179.64 46.41,179.53 47.33,179.47 48.26,179.44 49.19,179.46 50.11,179.51 51.03,179.61 51.95,179.74 